# KiCad board keyboard.kicad_pcb (continued)
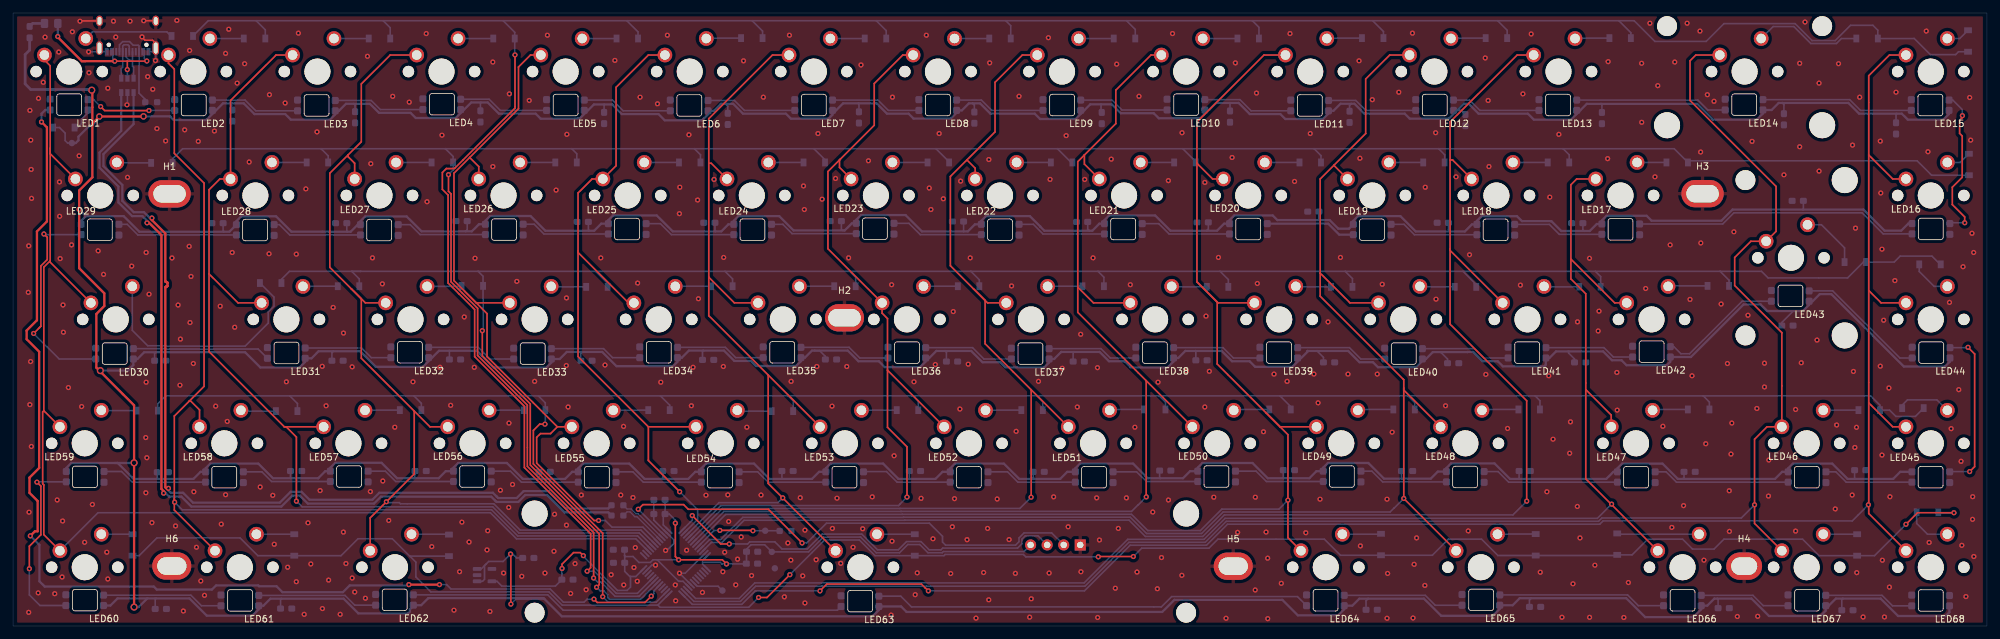
[diagram p0: board, top side]
## Nets
+3V3: C2.2 C3.2 C4.2 C5.2 C6.2 C7.2 C8.2 J2.4 TP1.1 U2.5 U3.1 U3.9 U3.24 U3.36 U3.48
+5V: C1.2 C9.2 C10.2 C11.2 C12.2 C13.2 C14.2 C15.2 C16.2 C17.2 C18.2 C19.2 C20.2 C21.2 C22.2 C23.2 C24.2 C25.2 C26.2 C27.2 C28.2 C29.2 C30.2 C31.2 C32.2 C33.2 C34.2 C35.2 C36.2 C37.2 C38.2 C39.2 C40.2 C41.2 C42.2 C43.2 C44.2 C45.2 C46.2 C47.2 C48.2 C49.2 C50.2 C51.2 C52.2 C53.2 C54.2 C55.2 C56.2 C57.2 C58.2 C59.2 C60.2 C61.2 C62.2 C63.2 C64.2 C65.2 C66.2 C67.2 C68.2 D1.1 D_68.2 LED2.4 LED3.4 LED4.4 LED5.4 LED6.4 LED7.4 LED8.4 LED9.4 LED10.4 LED11.4 LED12.4 LED13.4 LED14.4 LED15.4 LED16.4 LED17.4 LED18.4 LED19.4 LED20.4 LED21.4 LED22.4 LED23.4 LED24.4 LED25.4 LED26.4 LED27.4 LED28.4 LED29.4 LED30.4 LED31.4 LED32.4 LED33.4 LED34.4 LED35.4 LED36.4 LED37.4 LED38.4 LED39.4 LED40.4 LED41.4 LED42.4 LED43.4 LED44.4 LED45.4 LED46.4 LED47.4 LED48.4 LED49.4 LED50.4 LED51.4 LED52.4 LED53.4 LED54.4 LED55.4 LED56.4 LED57.4 LED58.4 LED59.4 LED60.4 LED61.4 LED62.4 LED63.4 LED64.4 LED65.4 LED66.4 LED67.4 LED68.4 TP5.1 U2.1 U2.3
GND: C1.1 C2.1 C3.1 C4.1 C5.1 C6.1 C7.1 C8.1 C9.1 C10.1 C11.1 C12.1 C13.1 C14.1 C15.1 C16.1 C17.1 C18.1 C19.1 C20.1 C21.1 C22.1 C23.1 C24.1 C25.1 C26.1 C27.1 C28.1 C29.1 C30.1 C31.1 C32.1 C33.1 C34.1 C35.1 C36.1 C37.1 C38.1 C39.1 C40.1 C41.1 C42.1 C43.1 C44.1 C45.1 C46.1 C47.1 C48.1 C49.1 C50.1 C51.1 C52.1 C53.1 C54.1 C55.1 C56.1 C57.1 C58.1 C59.1 C60.1 C61.1 C62.1 C63.1 C64.1 C65.1 C66.1 C67.1 C68.1 H1.1 H2.1 H3.1 H4.1 H5.1 H6.1 J1.A1 J1.A12 J1.B1 J1.B12 J1.S1 J2.1 LED1.2 LED2.2 LED3.2 LED4.2 LED5.2 LED6.2 LED7.2 LED8.2 LED9.2 LED10.2 LED11.2 LED12.2 LED13.2 LED14.2 LED15.2 LED16.2 LED17.2 LED18.2 LED19.2 LED20.2 LED21.2 LED22.2 LED23.2 LED24.2 LED25.2 LED26.2 LED27.2 LED28.2 LED29.2 LED30.2 LED31.2 LED32.2 LED33.2 LED34.2 LED35.2 LED36.2 LED37.2 LED38.2 LED39.2 LED40.2 LED41.2 LED42.2 LED43.2 LED44.2 LED45.2 LED46.2 LED47.2 LED48.2 LED49.2 LED50.2 LED51.2 LED52.2 LED53.2 LED54.2 LED55.2 LED56.2 LED57.2 LED58.2 LED59.2 LED60.2 LED61.2 LED62.2 LED63.2 LED64.2 LED65.2 LED66.2 LED67.2 LED68.2 R1.1 R4.1 TP4.1 U1.2 U2.2 U3.8 U3.23 U3.35 U3.47
VBUS: F1.1 J1.A4 J1.A9 J1.B4 J1.B9 U1.5
BOOT0: R4.2 TP2.1 U3.44
col0: K_0.1 K_15.1 K_30.1 K_44.1 K_59.1 U3.27
col1: K_1.1 K_45.1 K_60.1 U3.28
col2: K_2.1 K_16.1 K_31.1 K_46.1 U3.29
col3: K_3.1 K_17.1 K_32.1 K_47.1 K_61.1 U3.30
col4: K_4.1 K_18.1 K_33.1 K_48.1 U3.31
col5: K_5.1 K_19.1 K_34.1 K_49.1 U3.38
col6: K_6.1 K_20.1 K_35.1 K_50.1 K_62.1 U3.39
col7: K_7.1 K_21.1 K_36.1 K_51.1 U3.40
col8: K_8.1 K_22.1 K_37.1 K_52.1 U3.41
col9: K_9.1 K_23.1 K_38.1 K_53.1 U3.42
col10: K_10.1 K_24.1 K_39.1 K_54.1 K_63.1 U3.43
col11: K_11.1 K_25.1 K_40.1 K_55.1 K_64.1 U3.45
col12: K_12.1 K_26.1 K_41.1 U3.46
col13: K_27.1 K_42.1 K_56.1 K_65.1 U3.10
col14: K_13.1 K_28.1 K_57.1 K_66.1 U3.11
col15: K_14.1 K_29.1 K_43.1 K_58.1 K_67.1 U3.12
D+: R3.1 U1.1
D-: R2.2 U1.3
LED-IN: LED1.3 U3.17
MCU-D+: R3.2 U3.33
MCU-D-: R2.1 U3.32
NRST: TP3.1 U3.7
row0: D_0.1 D_1.1 D_2.1 D_3.1 D_4.1 D_5.1 D_6.1 D_7.1 D_8.1 D_9.1 D_10.1 D_11.1 D_12.1 D_13.1 D_14.1 U3.20
row1: D_15.1 D_16.1 D_17.1 D_18.1 D_19.1 D_20.1 D_21.1 D_22.1 D_23.1 D_24.1 D_25.1 D_26.1 D_27.1 D_29.1 U3.19
row2: D_28.1 D_30.1 D_31.1 D_32.1 D_33.1 D_34.1 D_35.1 D_36.1 D_37.1 D_38.1 D_39.1 D_40.1 D_41.1 D_42.1 D_43.1 U3.18
row3: D_44.1 D_45.1 D_46.1 D_47.1 D_48.1 D_49.1 D_50.1 D_51.1 D_52.1 D_53.1 D_54.1 D_55.1 D_56.1 D_57.1 D_58.1 U3.14
row4: D_59.1 D_60.1 D_61.1 D_62.1 D_63.1 D_64.1 D_65.1 D_66.1 D_67.1 U3.13
SWCLK: J2.3 U3.37
SWDIO: J2.2 U3.34
Net-(D1-Pad2): D1.2 F1.2
Net-(D_0-Pad2): D_0.2 K_0.2
Net-(D_1-Pad2): D_1.2 K_1.2
Net-(D_2-Pad2): D_2.2 K_2.2
Net-(D_3-Pad2): D_3.2 K_3.2
Net-(D_4-Pad2): D_4.2 K_4.2
Net-(D_5-Pad2): D_5.2 K_5.2
Net-(D_6-Pad2): D_6.2 K_6.2
Net-(D_7-Pad2): D_7.2 K_7.2
Net-(D_8-Pad2): D_8.2 K_8.2
Net-(D_9-Pad2): D_9.2 K_9.2
Net-(D_10-Pad2): D_10.2 K_10.2
Net-(D_11-Pad2): D_11.2 K_11.2
Net-(D_12-Pad2): D_12.2 K_12.2
Net-(D_13-Pad2): D_13.2 K_13.2
Net-(D_14-Pad2): D_14.2 K_14.2
Net-(D_15-Pad2): D_15.2 K_15.2
Net-(D_16-Pad2): D_16.2 K_16.2
Net-(D_17-Pad2): D_17.2 K_17.2
Net-(D_18-Pad2): D_18.2 K_18.2
Net-(D_19-Pad2): D_19.2 K_19.2
Net-(D_20-Pad2): D_20.2 K_20.2
Net-(D_21-Pad2): D_21.2 K_21.2
Net-(D_22-Pad2): D_22.2 K_22.2
Net-(D_23-Pad2): D_23.2 K_23.2
Net-(D_24-Pad2): D_24.2 K_24.2
Net-(D_25-Pad2): D_25.2 K_25.2
Net-(D_26-Pad2): D_26.2 K_26.2
Net-(D_27-Pad2): D_27.2 K_27.2
Net-(D_28-Pad2): D_28.2 K_28.2
Net-(D_29-Pad2): D_29.2 K_29.2
Net-(D_30-Pad2): D_30.2 K_30.2
Net-(D_31-Pad2): D_31.2 K_31.2
Net-(D_32-Pad2): D_32.2 K_32.2
Net-(D_33-Pad2): D_33.2 K_33.2
Net-(D_34-Pad2): D_34.2 K_34.2
Net-(D_35-Pad2): D_35.2 K_35.2
Net-(D_36-Pad2): D_36.2 K_36.2
Net-(D_37-Pad2): D_37.2 K_37.2
Net-(D_38-Pad2): D_38.2 K_38.2
Net-(D_39-Pad2): D_39.2 K_39.2
Net-(D_40-Pad2): D_40.2 K_40.2
Net-(D_41-Pad2): D_41.2 K_41.2
Net-(D_42-Pad2): D_42.2 K_42.2
Net-(D_43-Pad2): D_43.2 K_43.2
Net-(D_44-Pad2): D_44.2 K_44.2
Net-(D_45-Pad2): D_45.2 K_45.2
Net-(D_46-Pad2): D_46.2 K_46.2
Net-(D_47-Pad2): D_47.2 K_47.2
Net-(D_48-Pad2): D_48.2 K_48.2
Net-(D_49-Pad2): D_49.2 K_49.2
Net-(D_50-Pad2): D_50.2 K_50.2
Net-(D_51-Pad2): D_51.2 K_51.2
Net-(D_52-Pad2): D_52.2 K_52.2
Net-(D_53-Pad2): D_53.2 K_53.2
Net-(D_54-Pad2): D_54.2 K_54.2
Net-(D_55-Pad2): D_55.2 K_55.2
Net-(D_56-Pad2): D_56.2 K_56.2
Net-(D_57-Pad2): D_57.2 K_57.2
Net-(D_58-Pad2): D_58.2 K_58.2
Net-(D_59-Pad2): D_59.2 K_59.2
Net-(D_60-Pad2): D_60.2 K_60.2
Net-(D_61-Pad2): D_61.2 K_61.2
Net-(D_62-Pad2): D_62.2 K_62.2
Net-(D_63-Pad2): D_63.2 K_63.2
Net-(D_64-Pad2): D_64.2 K_64.2
Net-(D_65-Pad2): D_65.2 K_65.2
Net-(D_66-Pad2): D_66.2 K_66.2
Net-(D_67-Pad2): D_67.2 K_67.2
Net-(D_68-Pad1): D_68.1 LED1.4
Net-(J1-PadA5): J1.A5 J1.B5 R1.2
Net-(J1-PadA6): J1.A6 J1.B6 U1.6
Net-(J1-PadA7): J1.A7 J1.B7 U1.4
Net-(LED1-Pad1): LED1.1 LED2.3
Net-(LED2-Pad1): LED2.1 LED3.3
Net-(LED3-Pad1): LED3.1 LED4.3
Net-(LED4-Pad1): LED4.1 LED5.3
Net-(LED5-Pad1): LED5.1 LED6.3
Net-(LED6-Pad1): LED6.1 LED7.3
Net-(LED7-Pad1): LED7.1 LED8.3
Net-(LED8-Pad1): LED8.1 LED9.3
Net-(LED10-Pad1): LED10.1 LED11.3
Net-(LED10-Pad3): LED9.1 LED10.3
Net-(LED11-Pad1): LED11.1 LED12.3
Net-(LED12-Pad1): LED12.1 LED13.3
Net-(LED13-Pad1): LED13.1 LED14.3
Net-(LED14-Pad1): LED14.1 LED15.3
Net-(LED15-Pad1): LED15.1 LED16.3
Net-(LED16-Pad1): LED16.1 LED17.3
Net-(LED17-Pad1): LED17.1 LED18.3
Net-(LED18-Pad1): LED18.1 LED19.3
Net-(LED19-Pad1): LED19.1 LED20.3
Net-(LED20-Pad1): LED20.1 LED21.3
Net-(LED21-Pad1): LED21.1 LED22.3
Net-(LED22-Pad1): LED22.1 LED23.3
Net-(LED23-Pad1): LED23.1 LED24.3
Net-(LED24-Pad1): LED24.1 LED25.3
Net-(LED25-Pad1): LED25.1 LED26.3
Net-(LED26-Pad1): LED26.1 LED27.3
Net-(LED27-Pad1): LED27.1 LED28.3
Net-(LED28-Pad1): LED28.1 LED29.3
Net-(LED29-Pad1): LED29.1 LED30.3
Net-(LED30-Pad1): LED30.1 LED31.3
Net-(LED31-Pad1): LED31.1 LED32.3
Net-(LED32-Pad1): LED32.1 LED33.3
Net-(LED33-Pad1): LED33.1 LED34.3
Net-(LED34-Pad1): LED34.1 LED35.3
Net-(LED35-Pad1): LED35.1 LED36.3
Net-(LED36-Pad1): LED36.1 LED37.3
Net-(LED37-Pad1): LED37.1 LED38.3
Net-(LED38-Pad1): LED38.1 LED39.3
Net-(LED39-Pad1): LED39.1 LED40.3
Net-(LED40-Pad1): LED40.1 LED41.3
Net-(LED41-Pad1): LED41.1 LED42.3
Net-(LED42-Pad1): LED42.1 LED43.3
Net-(LED43-Pad1): LED43.1 LED44.3
Net-(LED44-Pad1): LED44.1 LED45.3
Net-(LED45-Pad1): LED45.1 LED46.3
Net-(LED46-Pad1): LED46.1 LED47.3
Net-(LED47-Pad1): LED47.1 LED48.3
Net-(LED48-Pad1): LED48.1 LED49.3
Net-(LED49-Pad1): LED49.1 LED50.3
Net-(LED50-Pad1): LED50.1 LED51.3
Net-(LED51-Pad1): LED51.1 LED52.3
Net-(LED52-Pad1): LED52.1 LED53.3
Net-(LED53-Pad1): LED53.1 LED54.3
Net-(LED54-Pad1): LED54.1 LED55.3
Net-(LED55-Pad1): LED55.1 LED56.3
Net-(LED56-Pad1): LED56.1 LED57.3
Net-(LED57-Pad1): LED57.1 LED58.3
Net-(LED58-Pad1): LED58.1 LED59.3
Net-(LED59-Pad1): LED59.1 LED60.3
Net-(LED60-Pad1): LED60.1 LED61.3
Net-(LED61-Pad1): LED61.1 LED62.3
Net-(LED62-Pad1): LED62.1 LED63.3
Net-(LED63-Pad1): LED63.1 LED64.3
Net-(LED64-Pad1): LED64.1 LED65.3
Net-(LED65-Pad1): LED65.1 LED66.3
Net-(LED66-Pad1): LED66.1 LED67.3
Net-(LED67-Pad1): LED67.1 LED68.3

Pads without a net: J1 A8 B8; LED68 1; U2 4; U3 2 3 4 5 6 15 16 21 22 25 26

## Via types
v1: diameter 0.8, hole 0.4, Top to Bottom, 566 vias
v2: diameter 1, hole 0.6, Top to Bottom, 2 vias
v3: diameter 1.1, hole 0.7, Top to Bottom, 4 vias

## Routing (per net, layer and track width the routed paths; a pad name or vN(x,y) marks a point on that pad's centre or on a via; arc(x,y) is an arc through that point)
+3V3: length 132.5
  Top w0.25: v1(101.67,15.81) 101.67,10.68 v1(102.17,10.17) 108.88,10.17 v1(109.51,9.54) ; v1(84.27,8.84) 84.27,9.51 86.04,11.28 87.07,11.28 v1(87.54,10.81)
  Bottom w0.25: v1(101.67,15.81) 101.67,16.27 100.72,17.21 C8.2 ; C2.2 100.09,17.21 C8.2 ; 105.86,9.79 108.55,9.79 108.8,9.54 v1(109.51,9.54) 112.51,9.54 C3.2 112.59,9.61 C6.2 112.59,11.8 113.27,12.48 115.38,12.48 TP1.1 122.11,11.39 124.39,13.67 130.1,13.67 132.51,11.26 136.08,11.26 137.34,12.52 139.18,12.52 140.44,11.26 142.62,11.26 142.81,11.44 155.18,11.44 J2.4 ; 105.86,9.79 105.86,10.1 106.56,10.8 U3.48 ; 105.86,9.79 105.86,9.51 U3.1 ; C8.2 99.81,16.93 99.81,15.53 100.65,14.69 U3.36 ; 94.78,7.61 94.68,7.61 93.89,8.39 C5.2 93.89,10.78 ; 94.78,7.61 94.78,5.98 94.27,5.47 92.78,5.47 87.54,10.71 v1(87.54,10.81) ; 94.78,7.61 95.6,7.61 U3.24 ; 98.88,10.17 v1(102.17,10.17) ; 98.88,10.17 98.23,10.17 97.83,9.77 96.08,9.77 95.16,10.68 93.99,10.68 93.89,10.78 ; 98.88,10.17 102.18,6.87 102.84,6.87 U3.9 ; 93.89,10.78 93.87,10.81 C4.2 ; U2.5 74.28,6.87 75.02,6.14 83.25,6.14 C7.2 84.24,8.81 v1(84.27,8.84)
+5V: length 1808.1
  Top w0.25: v1(76.42,3.36) 76.42,11.01 v1(76.37,11.06)
  Top w0.35: v3(12.08,82.37) 12.18,82.27 12.18,77.02 ; 12.18,77.02 12.18,68.97 10.15,66.94 v1(10.15,64.05) 10.15,55 14.01,51.14 14.01,49.19 12.79,47.97 12.79,39.71 13.32,39.18 ; 12.18,77.02 12.18,77.25 v2(13.25,78.32) 20,78.32 v2(20.03,78.35) ; 13.32,39.18 v3(13.4,39.26) ; 13.32,39.18 18.58,33.92 v3(18.58,25.08) v3(18.58,2.91)
  Bottom w0.25: C19.2 222.3,79.26 LED12.4 ; 51.28,60.61 51.23,60.65 C24.2 ; 271.57,80.41 271.83,80.15 C21.2 ; C37.2 183.48,61.01 183.23,60.76 ; 186.81,80.41 186.81,80.4 C10.2 ; 145.92,60.66 145.91,60.66 C32.2 ; C14.2 71.74,80.4 71.82,80.47 ; C39.2 239.69,41.04 238.78,41.95 238.78,42.21 ; C35.2 164.96,60.99 165.2,60.76 ; 167.01,80.2 167.01,79.05 C11.2 ; 33.57,80.35 33.57,79.39 C15.2 ; 107.81,60.66 107.75,60.72 C36.2 ; 289.04,77.36 289.04,78.69 289.11,78.76 ; C52.2 143.27,42.09 143.07,42.29 ; 90.76,80.17 90.73,80.15 C17.2 ; 109.21,80.28 109.34,80.28 109.72,79.9 C16.2 ; 261.62,4.21 261.73,4.1 C65.2 ; C53.2 220.2,41.04 219.13,42.11 ; C59.2 137.58,22.68 137.65,22.61 ; 22.27,22.61 22.14,22.74 C41.2 ; C28.2 220.33,60.91 220.6,60.65 ; C30.2 21.73,41.95 21.86,42.08 ; 42.63,22.71 42.59,22.75 C47.2 ; U2.1 72.07,6.87 72.37,7.17 72.37,9.27 72.67,9.57 ; C60.2 213.12,22.72 213.19,22.65 ; C56.2 21.82,4.13 21.93,4.24 ; C51.2 99.74,22.76 99.88,22.61 ; 147.3,80.35 147.56,80.09 C12.2 ; 241.16,60.72 240.97,60.91 C31.2 ; v1(76.42,3.36) 77.2,4.15 81.57,4.15 ; 243.78,80.26 243.89,80.15 C23.2 ; 274.75,64.01 274.82,64.08 274.82,65.35 ; 127.67,60.81 127.33,60.81 127.15,60.99 127.15,62.24 ; 231.2,22.61 231.18,22.63 C66.2 ; TP5.1 8.38,74.24 8,74.62 8,75.76 7.14,76.62 D_68.2 ; C58.2 256.49,22.77 256.33,22.61 ; C63.2 118.03,22.61 118.03,22.61 ; C1.2 77.31,10.46 76.71,11.06 v1(76.37,11.06) 75.22,9.92 73.01,9.92 72.67,9.57 ; U2.3 71.87,8.77 72.67,9.57 ; 194.97,22.71 194.99,22.73 C57.2 ; C46.2 162.73,42.02 162.85,42.13 ; C42.2 124.69,41.44 123.8,42.34 123.02,42.34 ; C29.2 88.32,60.85 88.4,60.76 ; 156.78,22.61 156.57,22.82 C54.2 ; C44.2 80.75,22.82 80.71,22.77 80.71,22.61 ; 87.26,42.13 87.26,41.94 87.16,41.85 C45.2 ; 49.13,42.23 48.95,42.05 C27.2 ; C50.2 181.56,42.24 181.52,42.29 ; C26.2 200.46,62.49 200.55,62.4 ; 274.74,48.42 273.28,48.42 271.5,46.65 C43.2 ; 105.94,42.34 105.83,42.23 C49.2 ; 32.36,60.61 32.25,60.72 C20.2 ; 233.04,4.27 232.77,4 C64.2 ; C62.2 280.71,4.07 280.86,4.21 ; 61.62,22.71 61.7,22.79 C48.2 ; C68.2 207.69,3.88 208.02,4.2 ; 176.11,22.71 176,22.82 C55.2 ; C40.2 201.15,41.3 200.16,42.29 ; 66.99,42.31 66.98,42.3 C25.2 ; 69.48,60.67 69.71,60.91 C33.2 ; 205.42,80.28 205.16,80.02 C9.2 ; C13.2 129.85,80.28 129.78,80.35 ; 52.31,80.28 52.5,80.09 C18.2 ; 41.2,4.2 41.06,4.07 C67.2 ; 282.75,22.61 282.68,22.68 C61.2
  Bottom w0.35: LED68.4 297.23,2.11 296.66,1.54 289.35,1.54 286.67,4.21 279.8,4.21 278.72,3.12 LED67.4 278.25,2.35 277.43,1.54 269.54,1.54 266.86,4.21 261.15,4.21 260.06,3.12 LED66.4 259.13,2.57 257.92,1.36 250.54,1.36 247.62,4.27 231.28,4.27 230.19,3.19 LED65.4 228.21,2.64 227.13,1.56 219.22,1.56 216.58,4.2 206.66,4.2 205.58,3.12 LED64.4 204.33,2.57 203.4,1.64 197.22,1.64 194.84,4.02 178.26,4.02 176.4,2.16 137.16,2.16 136.32,3 LED63.4 132.89,2.45 131.93,1.49 84.24,1.49 81.43,4.29 63.74,4.29 62.66,3.2 LED62.4 61.44,3.09 60.93,2.57 60.93,2.22 60.64,1.94 53.01,1.94 50.75,4.2 39.51,4.2 38.42,3.11 LED61.4 37.71,2.56 36.73,1.59 29.74,1.59 27.09,4.24 20.61,4.24 ; 11.18,63.01 16.98,63.01 19.38,60.61 33.2,60.61 LED28.4 34.29,62.25 35.03,62.98 40.37,62.98 42.74,60.62 48.53,60.62 48.54,60.61 51.82,60.61 52.91,61.7 LED27.4 53.34,62.25 54.05,62.96 60.41,62.96 62.7,60.67 70.43,60.67 71.52,61.76 LED26.4 72.52,62.31 73.23,63.02 79.44,63.02 81.7,60.76 89.21,60.76 90.3,61.85 LED25.4 91.39,62.4 92.1,63.11 98.81,63.11 101.26,60.66 108.72,60.66 109.81,61.75 LED24.4 110.64,62.3 111.36,63.01 117.61,63.01 119.8,60.81 127.67,60.81 128.75,61.9 LED23.4 129.44,62.45 130.16,63.17 137,63.17 139.51,60.66 146.56,60.66 147.65,61.75 LED22.4 148.64,62.3 149.35,63.01 156.08,63.01 157.7,61.39 157.7,61.37 158.31,60.76 165.67,60.76 166.75,61.85 LED21.4 167.54,62.4 168.25,63.11 175.32,63.11 177.67,60.76 184.82,60.76 185.9,61.85 LED20.4 186.74,62.4 187.45,63.11 193.36,63.11 194.07,62.4 202.11,62.4 203.43,61.07 205.07,61.07 LED19.4 205.74,62.3 206.45,63.01 212.96,63.01 215.32,60.65 222.85,60.65 223.94,61.73 LED18.4 224.72,62.28 225.43,63 230.86,63 231.62,62.23 236.14,62.23 237.66,60.72 242.03,60.72 243.11,61.8 LED17.4 243.89,62.35 244.6,63.06 250.76,63.06 251.52,62.3 262.23,62.3 263.94,64.01 284.04,64.01 287.28,60.77 289.83,60.77 290.92,61.86 LED16.4 ; 11.18,63.01 11.18,63.02 v1(10.15,64.05) ; 11.18,63.01 10.47,62.3 LED29.4 ; LED44.4 297.31,40.65 296.55,39.89 290.23,39.89 279.11,51.01 277.33,51.01 276.24,49.92 275.69,49.92 275.69,49.37 274.74,48.42 269.25,48.42 268.26,49.42 265.63,49.42 257.56,41.35 LED42.4 254.38,40.61 253.87,40.09 247.67,40.09 246.91,40.85 245.44,40.85 244.08,42.21 236.84,42.21 235.83,41.2 LED41.4 235.28,40.16 235.04,39.91 228.69,39.91 227.91,40.7 225.58,40.7 224.15,42.13 223.28,42.13 223.26,42.11 217.95,42.11 216.88,41.05 LED40.4 216.33,40.75 215.37,39.78 209.52,39.78 208.76,40.55 206.68,40.55 204.94,42.29 198.7,42.29 198.69,42.28 198.69,42.16 197.73,41.2 LED39.4 197.18,40.65 196.37,39.84 190.67,39.84 189.81,40.7 187.12,40.7 185.53,42.29 179.95,42.29 178.86,41.2 LED38.4 178.13,40.65 177.22,39.74 171.57,39.74 170.61,40.7 168.22,40.7 166.79,42.13 160.9,42.13 159.81,41.05 LED37.4 159.03,40.5 158.3,39.76 152.34,39.76 151.56,40.55 148.82,40.55 147.08,42.29 141.72,42.29 140.63,41.2 LED36.4 140.08,40.65 139.22,39.79 133.82,39.79 132.91,40.7 129.77,40.7 128.13,42.34 122.65,42.34 121.56,41.25 LED35.4 120.93,40.7 120.2,39.96 114.04,39.96 113.25,40.75 110.72,40.75 109.13,42.34 103.75,42.34 102.66,41.25 LED34.4 101.98,40.61 101.31,39.94 92.63,39.94 90.43,42.13 85,42.13 83.92,41.05 LED33.4 82.63,40.5 81.87,39.74 73.78,39.74 71.21,42.31 65.39,42.31 64.33,41.25 LED32.4 63.78,40.7 62.92,39.84 55.7,39.84 53.3,42.23 46.9,42.23 45.82,41.15 LED31.4 44.83,40.6 43.97,39.74 37.97,39.74 35.63,42.08 20.12,42.08 19.09,41.05 LED30.4 18.47,40.11 17.62,39.26 v3(13.4,39.26) ; v2(20.03,78.35) 24.09,78.35 24.65,77.79 29.67,77.79 30.6,78.71 LED2.4 31.15,79.26 32.23,80.35 35.41,80.35 37.06,78.7 41.78,78.7 42.64,77.84 48.65,77.84 49.46,78.65 LED3.4 50.03,79.2 51.11,80.28 54.78,80.28 56.17,78.89 61.03,78.89 61.82,78.09 67.95,78.09 68.7,78.84 68.7,79.39 69.25,79.39 70.33,80.47 72.87,80.47 74.58,78.76 80.22,78.76 81,77.98 86.28,77.98 86.67,78.04 87.01,78.04 87.68,78.71 LED5.4 88.25,79.26 89.17,80.17 91.97,80.17 93.44,78.7 99.08,78.7 100.04,77.74 105.76,77.74 106.67,78.65 LED6.4 107.59,79.2 108.67,80.28 110.53,80.28 112.05,78.76 118.62,78.76 119.4,77.98 125.18,77.98 125.78,78.59 LED7.4 126.33,79.26 127.42,80.35 132.56,80.35 134.15,78.76 137.47,78.76 138.23,78 143.94,78 144.83,78.89 LED8.4 145.64,79.26 146.72,80.35 148.44,80.35 150.02,78.76 156.83,78.76 157.65,77.94 163.11,77.94 163.88,78.71 LED9.4 164.43,79.26 165.37,80.2 168.65,80.2 170.03,78.82 175.1,78.82 175.88,78.05 182.2,78.05 182.93,78.77 LED10.4 183.58,79.32 184.67,80.41 188.12,80.41 189.84,78.7 194.53,78.7 195.29,77.94 201.08,77.94 201.92,78.78 201.92,79.2 202.69,79.2 203.77,80.28 205.9,80.28 207.43,78.76 213.62,78.76 214.39,77.99 220.38,77.99 221.1,78.71 LED12.4 221.68,79.26 222.7,80.28 223.44,80.28 224.95,78.76 232.52,78.76 233.44,77.84 239.15,77.84 240.02,78.71 LED13.4 240.57,79.26 241.57,80.26 258.51,80.26 260.93,77.84 267.66,77.84 268.59,78.77 LED14.4 269.94,79.32 271.03,80.41 281.72,80.41 283.37,78.76 289.92,78.76 290.84,77.84 296.3,77.84 297.17,78.71 LED15.4 ; 15.66,25.06 16.06,25.06 18.51,22.61 27.69,22.61 28.78,23.7 LED58.4 29.57,24.25 30.28,24.96 37.65,24.96 39.9,22.71 46.85,22.71 46.85,22.72 47.93,23.8 LED57.4 48.72,24.35 49.45,25.08 56.57,25.08 58.95,22.71 65.34,22.71 66.42,23.8 LED56.4 67.62,24.35 68.33,25.06 75.8,25.06 78.25,22.61 84.74,22.61 85.83,23.7 LED55.4 86.77,24.25 87.48,24.96 94.6,24.96 96.94,22.61 103.64,22.61 104.73,23.7 LED54.4 105.67,24.25 106.38,24.96 113.75,24.96 116.1,22.61 122.64,22.61 123.73,23.7 LED53.4 124.77,24.25 125.49,24.97 133.55,24.97 135.91,22.61 141.59,22.61 142.67,23.7 LED52.4 143.87,24.25 144.58,24.96 152.1,24.96 154.45,22.61 160.74,22.61 161.83,23.7 LED51.4 163.07,24.25 163.78,24.96 171.93,24.96 173.85,23.04 173.85,23.02 174.16,22.71 179.58,22.71 180.67,23.8 LED50.4 181.87,24.35 182.58,25.06 190.25,25.06 192.6,22.71 198.99,22.71 200.08,23.8 LED49.4 201.12,24.35 201.83,25.06 208.03,25.06 210.44,22.65 217.62,22.65 218.71,23.74 LED48.4 220.03,24.29 220.74,25 227.4,25 229.79,22.61 244.56,22.61 245.65,23.7 LED47.4 246.28,24.25 246.99,24.96 253.19,24.96 255.54,22.61 270.47,22.61 271.55,23.7 LED46.4 272.49,24.25 273.2,24.96 279.25,24.96 281.6,22.61 288.6,22.61 289.69,23.7 LED45.4 ; 15.66,25.06 8.94,25.06 8.18,24.3 LED59.4 ; 15.66,25.06 18.56,25.06 v3(18.58,25.08) ; 20.61,4.24 19.28,2.91 v3(18.58,2.91) ; 20.61,4.24 16.04,4.24 14.95,3.15 LED60.4 ; v2(13.25,78.32) 13.25,78.09 12.18,77.02 11.84,77.02 10.04,75.22 10.04,74.65 9.63,74.24 TP5.1
  Bottom w0.425: v3(12.08,82.37) 11.98,82.47 2.73,82.47 1.86,83.34 1.86,87.85 2.55,88.54 D1.1
GND: length 36.2
  Top w0.25: J1.S1 10.33,93.02 v1(10.28,92.96) ; J1.S1 21.89,93.04 v1(20.06,93.04) ; v1(19.8,90.56) 19.8,90.49 20.25,90.04 21.44,90.04 21.91,89.57 J1.S1
  Bottom w0.25: U3.47 103.18,8.11 v1(102.3,8.11) 104.09,6.33 U3.8 ; v1(100.17,11.62) 100.37,11.62 101.42,12.67 101.42,13.26 100.35,14.33 U3.35 100.29,14.33 98.36,16.26 C8.1 98.36,17.21 C2.1 ; J1.A1 13.83,88.28 J1.S1 12.69,88.26 v1(11.6,88.26) ; v1(17.49,80.12) 17.56,80.19 U1.2 ; U3.23 98.06,9.36 v1(98.62,9.36) ; v1(21.86,86.92) 21.91,86.97 J1.S1 21.34,88.28 J1.A12 ; 20.64,88.63 20.94,88.63 ; 14.24,88.63 14.54,88.63
  vias: v1(2.34,51.28) v1(2.4,58.43) v1(2.46,17.49) v1(2.4,2.09) v1(2.58,34.03) v1(2.59,79.26) v1(2.72,74.69) v1(2.78,70.18) v1(2.7,40.65) v1(2.85,65.73) v1(2.81,27.6) v1(3.86,5.09) v1(3.91,81.11) v1(4.64,83.58) v1(4.92,90.52) v1(6.4,4.97) v1(6.78,19.38) v1(7.01,88.23) v1(7.13,68.26) v1(7.15,62.98) v1(7.23,56.48) v1(7.53,7.53) v1(7.67,49.35) v1(7.61,16.14) v1(7.74,45.16) v1(8.5,36.65) v1(8.98,58.58) v1(9.11,91.35) v1(10.15,72.28) v1(10.53,33.73) v1(10.99,12.86) v1(11.66,85.06) v1(12.18,18.68) v1(13.07,57.67) v1(13.9,54.05) v1(14.39,11.34) v1(14.55,82.67) v1(14.54,7.23) v1(15.42,92.98) v1(15.76,90.54) v1(17.58,68.97) v1(17.96,92.98) v1(18.21,55.32) v1(20.37,28.97) v1(20.39,20.48) v1(20.44,57.42) v1(20.44,37.48) v1(20.54,25.87) v1(20.66,84.45) v1(20.88,51) v1(21.33,15.89) v1(21.45,82.51) v1(22.09,76.47) v1(23.42,74.56) v1(24.4,56.58) v1(24.94,15.38) v1(25.15,93.09) v1(25.34,49.34) v1(25.62,37.02) v1(25.69,44.11) v1(26.15,2.3) v1(26.34,76.28) v1(27.04,58.36) v1(27.1,88.47) v1(27.17,46.65) v1(27.32,53.73) v1(27.67,40.35) v1(27.75,20.64) v1(28.16,12.1) v1(28.44,74.5) v1(28.82,6.92) v1(29.39,4.71) v1(30.91,76.09) v1(31.1,33.79) v1(31.8,49.16) v1(31.97,15.66) v1(32.63,88.02) v1(32.63,20.18) v1(32.88,31.44) v1(33.11,91.73) v1(33.64,57.42) v1(34.03,45.92) v1(34.41,83.45) v1(35.55,86.44) v1(36.25,71.32) v1(37.94,21.37) v1(39.36,81.67) v1(39.3,57.23) v1(39.87,20.08) v1(40.1,12.56) v1(41.77,80.4) v1(41.96,37.54) v1(42.15,9.03) v1(43.49,57.16) v1(43.49,6.81) v1(43.8,91.13) v1(44.69,1.79) v1(44.95,67.2) v1(45.28,15.86) v1(45.71,9.54) v1(46.66,75.96) v1(47.13,20.81) v1(47.46,39.92) v1(47.49,2.68) v1(48.06,33.86) v1(48.44,7.06) v1(49.14,48.97) v1(50.22,1.79) v1(50.73,45.03) v1(50.71,14.44) v1(51.11,9.6) v1(52.06,39.84) v1(52.06,7.38) v1(52.44,5.22) v1(54.09,4.27) v1(54.41,87.58) v1(54.85,20.66) v1(54.92,71.07) v1(55.17,56.59) v1(56.69,52.59) v1(56.76,22.29) v1(57.67,16.22) v1(58.28,81.42) v1(58.6,30.56) v1(60.82,80.53) v1(61.39,37.54) v1(63.43,91.07) v1(63.55,65.23) v1(64.28,12.2) v1(65.52,39.76) v1(65.84,75.45) v1(67.17,33.92) v1(67.68,2.43) v1(68.54,8.34) v1(68.9,15.96) v1(69.27,47.51) v1(70,12.91) v1(70.8,39.76) v1(70.92,56.53) v1(72.76,11.7) v1(72.86,14.64) v1(73.2,2.23) v1(73.65,86.69) v1(73.65,70.62) v1(74.82,20.87) v1(75.3,8.14) v1(76.09,18.22) v1(76.19,81.8) v1(76.13,31.19) v1(76.67,21.75) v1(77.33,52.97) v1(78.09,7.63) v1(79.24,80.78) v1(80.06,37.6) v1(81.65,8.14) v1(82.03,90.82) v1(83.03,11.48) v1(83.12,17.18) v1(83.36,67) v1(84.95,50.43) v1(84.93,40.04) v1(84.95,15.51) v1(85.02,75.58) v1(85.21,33.67) v1(85.59,5) v1(86.27,9.59) v1(87.24,20.13) v1(87.97,5.58) v1(90.22,56.59) v1(90.87,40.12) v1(91.81,7.89) v1(92.38,86.94) v1(93.28,20.13) v1(93.72,30.68) v1(93.74,6.31) v1(95.16,19.75) v1(95.32,8.99) v1(95.52,12.05) v1(95.87,52.72) v1(95.82,6.87) v1(96.25,81.29) v1(98.92,80.28) v1(99.43,37.48) v1(100.45,90.82) v1(101.67,6.31) v1(101.72,3.87) v1(102.29,63.39) v1(102.35,67.45) v1(103.39,11.65) v1(103.75,75.51) v1(104.13,33.86) v1(104.38,39.76) v1(105.08,65.48) v1(105.21,50.3) v1(105.83,5.16) v1(106.36,20.1) v1(107.61,68.64) v1(108.96,8.34) v1(109.08,56.65) v1(109.03,39.89) v1(109.23,11.34) v1(109.72,20.15) v1(109.84,16.06) v1(110.93,6.33) v1(111.22,10.27) v1(111.77,13.68) v1(112.13,86.88) v1(112.64,30.56) v1(113.36,7.75) v1(114.82,20.13) v1(115.18,81.29) v1(118.4,4.48) v1(118.94,12.76) v1(119.18,90.82) v1(119.43,37.6) v1(119.39,10.12) v1(120.84,19.72) v1(121.21,7.7) v1(121.34,67.64) v1(121.46,64.02) v1(121.55,14.73) v1(121.55,3.54) v1(123.28,10.19) v1(123.38,39.89) v1(123.56,75.7) v1(124.19,65.61) v1(125.72,33.79) v1(125.77,15) v1(126.25,68.8) v1(126.48,19.65) v1(127.05,9.63) v1(127.98,39.89) v1(128.26,56.59) v1(128.94,12.1) v1(130.16,86.25) v1(130.42,14.95) v1(131.31,71.51) v1(131.89,19.85) v1(134.79,1.68) v1(134.86,52.46) v1(134.93,13.03) v1(134.99,81.29) v1(135.24,26.17) v1(138.29,37.54) v1(138.48,4.81) v1(138.8,8.17) v1(139.38,19.62) v1(140.2,90.82) v1(140.64,67.32) v1(140.9,64.02) v1(141.21,13.41) v1(141.57,40.19) v1(142.17,75.7) v1(142.8,65.67) v1(143.93,8.06) v1(144.18,15.25) v1(144.32,48.34) v1(144.52,19.57) v1(145.34,33.35) v1(145.45,68.39) v1(146.45,13.27) v1(146.62,40.25) v1(146.93,56.59) v1(147.82,1.21) v1(148.99,8.22) v1(149.59,15) v1(149.79,71.7) v1(149.77,4.03) v1(149.91,86.56) v1(151.07,19.52) v1(152.9,13.28) v1(153.28,52.27) v1(153.86,8.09) v1(153.98,29.92) v1(154.42,81.42) v1(156.05,1.36) v1(156.3,4.18) v1(157.41,37.6) v1(158.93,90.44) v1(159.04,8.14) v1(159.18,68.66) v1(159.73,19.85) v1(161.05,39.61) v1(161.66,75.39) v1(161.96,15.25) v1(163.37,33.67) v1(163.88,44.84) v1(163.92,8.34) v1(164.5,68.64) v1(165.79,56.59) v1(166.33,19.7) v1(166.46,39.71) v1(166.49,1.31) v1(166.77,13.22) v1(168.58,71.77) v1(169.2,5.8) v1(169.41,86.37) v1(169.66,15) v1(170.91,19.7) v1(171.5,52.46) v1(172.2,30.56) v1(172.53,8.29) v1(172.84,81.42) v1(174.94,17.51) v1(175.66,5.73) v1(175.76,37.48) v1(176.29,10.51) v1(177.34,68.47) v1(177.36,19.37) v1(177.98,91.07) v1(179.44,75.83) v1(179.41,7.78) v1(180.1,39.23) v1(182.95,68.19) v1(182.93,33.67) v1(183.12,47.64) v1(183.63,39.15) v1(184.32,19.8) v1(185.03,56.65) v1(186.2,1.18) v1(187.12,72.02) v1(187.63,86.56) v1(187.97,14.39) v1(190.68,5.54) v1(190.69,19.8) v1(190.87,81.93) v1(191,52.65) v1(191.95,29.86) v1(192.34,14.44) v1(192.58,10.43) v1(192.6,1.13) v1(193.56,38.72) v1(194.68,6.55) v1(195.57,37.6) v1(196.01,91.07) v1(196.71,68.34) v1(198.44,14.34) v1(199.12,75.7) v1(199.68,38.72) v1(200.33,34.3) v1(200.62,19.49) v1(201.86,46.75) v1(203.76,56.65) v1(204.92,38.72) v1(206.62,86.88) v1(206.75,71.89) v1(206.82,12.31) v1(208.65,80.91) v1(209.41,38.72) v1(210.17,52.53) v1(210.91,19.49) v1(210.91,1.18) v1(211,8.08) v1(211.7,29.79) v1(212.71,82.05) v1(214.81,91.13) v1(214.9,1.23) v1(215.06,9.47) v1(215.44,13.54) v1(216.78,67.45) v1(216.71,6.24) v1(218.37,75.83) v1(218.43,50.24) v1(219.89,33.86) v1(221.5,69.05) v1(223.38,14.62) v1(223.57,57.07) v1(225.99,87.32) v1(226.07,38.67) v1(226.43,80.78) v1(226.56,70.62) v1(229.41,30.37) v1(231.38,52.4) v1(231.76,81.8) v1(233.03,91.01) v1(234.43,8.27) v1(235.45,20.64) v1(235.73,38.47) v1(235.89,65.93) v1(236.4,28.71) v1(237.29,75.58) v1(237.76,1.33) v1(238.94,26.56) v1(239.07,31.38) v1(239.45,6.49) v1(240.15,46.75) v1(240.12,18.38) v1(240.53,13.54) v1(241.99,56.53) v1(242,1.33) v1(242.81,9.35) v1(243.32,45.35) v1(243.45,48.4) v1(244.77,71.84) v1(244.84,86.75) v1(246.19,38.98) v1(246.24,33.18) v1(247.26,1.31) v1(247.96,6.68) v1(249.99,86.5) v1(250,77.43) v1(250.61,51.88) v1(251.26,92.66) v1(252.03,69.05) v1(252.47,83.07) v1(253.25,30.7) v1(254.37,58.58) v1(254.62,15.15) v1(255.07,86.69) v1(256.43,18.5) v1(256.97,92.66) v1(257.42,50.2) v1(257.72,38.47) v1(258.94,91.45) v1(259.04,72.86) v1(259.07,58.88) v1(259.55,10.12) v1(259.83,28.02) v1(260.09,81.67) v1(261.1,80.66) v1(262.19,49.49) v1(263.16,40.35) v1(263.44,20.79) v1(263.46,14.54) v1(263.7,26.43) v1(263.83,31.19) v1(264.15,60.59) v1(264.68,1.46) v1(266.31,47.76) v1(266.94,74.5) v1(267.68,33.44) v1(267.81,1.49) v1(268.85,40.4) v1(268.85,36.74) v1(269.46,19.98) v1(269.51,25.51) v1(271.83,69.35) v1(273.62,33.29) v1(273.62,14.59) v1(274.25,86.5) v1(274.25,73.67) v1(274.5,40.46) v1(275.07,92.85) v1(276.91,43.95) v1(277.23,83.45) v1(277.23,69.93) v1(279.72,18) v1(279.92,30.9) v1(280.21,86.44) v1(282.36,73.93) v1(282.31,20.13) v1(282.5,39.13) v1(282.72,27.44) v1(282.82,61.16) v1(282.97,30.54) v1(283.01,8.2) v1(283.45,81.29) v1(283.99,1.38) v1(286.63,74.54) v1(286.63,39.94) v1(286.69,66.56) v1(286.88,57.92) v1(286.88,26.28) v1(286.95,10.11) v1(287.14,47) v1(287.26,1.38) v1(287.95,36.59) v1(288.02,5.98) v1(288.1,19.87) v1(288.86,53.1) v1(289.04,82.05) v1(293.69,91.45) v1(293.94,72.91) v1(294.12,12.84) v1(297.25,49.75) v1(297.5,30.34) v1(298.67,36.33) v1(299.02,25.31) v1(299.14,12.39) v1(299.33,55.23) v1(299.77,4.52) v1(300.34,81.24) v1(300.5,74.69) v1(300.7,60.36) v1(300.79,16.4) v1(300.8,19.87) v1(300.95,57.42) v1(300.98,10.68)
VBUS: length 24.1
  Top w0.25: 17.54,86.83 v1(17.54,85.53) ; 17.54,86.83 20.51,86.83 v1(20.54,86.85) ; 17.54,86.83 v1(15.61,86.83)
  Top w0.35: 11.05,86.83 10.56,86.83 6.87,90.52 v1(6.87,90.61) ; 11.05,86.83 v1(15.61,86.83) ; 11.05,86.83 10.61,86.83
  Bottom w0.25: 15.04,88.63 15.34,88.63 ; v1(17.54,85.53) 17.54,84.22 U1.5 ; J1.A9 20.14,87.25 v1(20.54,86.85) ; J1.B9 15.34,87.1 v1(15.61,86.83) ; 19.84,88.63 20.14,88.63
  Bottom w0.35: v1(6.87,90.61) 6.88,90.62 F1.1
BOOT0: length 13.6
  Top w0.25: v1(113.58,14.64) 113.53,14.69 v1(108.5,14.69)
  Bottom w0.25: R4.2 117.64,14.64 TP2.1 v1(113.58,14.64) ; U3.44 107.63,14.69 v1(108.5,14.69)
col0: length 192.2
  Top w0.25: 5.7,56.15 4.73,55.17 4.73,33.09 ; 5.7,56.15 5.7,55.92 K_30.1 ; 5.7,56.15 5.7,73.42 ; 5.7,73.42 5.7,72.59 K_15.1 ; 5.7,73.42 5.7,86.12 4.82,87.01 4.82,87.77 ; 4.73,33.09 4.55,32.91 4.55,21.87 4.73,21.69 4.73,14.04 K_59.1 ; 4.73,33.09 K_44.1
  Bottom w0.25: U3.27 95.61,13.39 77.28,13.39 73.26,17.41 13.04,17.41 K_59.1
col1: length 164.2
  Top w0.25: K_1.1 23.87,86.5 24.75,85.61 24.75,72.66 29.33,68.08 29.33,36.84 27.04,34.56 ; v1(24.8,19.04) 24.75,19.09 24.75,19.52 ; 27.04,34.56 27.29,34.56 28.63,33.22 K_45.1 ; 27.04,34.56 24.75,32.27 24.75,19.52 ; 24.75,19.52 24.75,17.82 K_60.1
  Bottom w0.25: U3.28 95.87,13.84 77.47,13.84 73.45,17.86 25.98,17.86 v1(24.8,19.04)
